# Altium PCB RelayTester.PcbDoc (part 2 of 2) (continued)
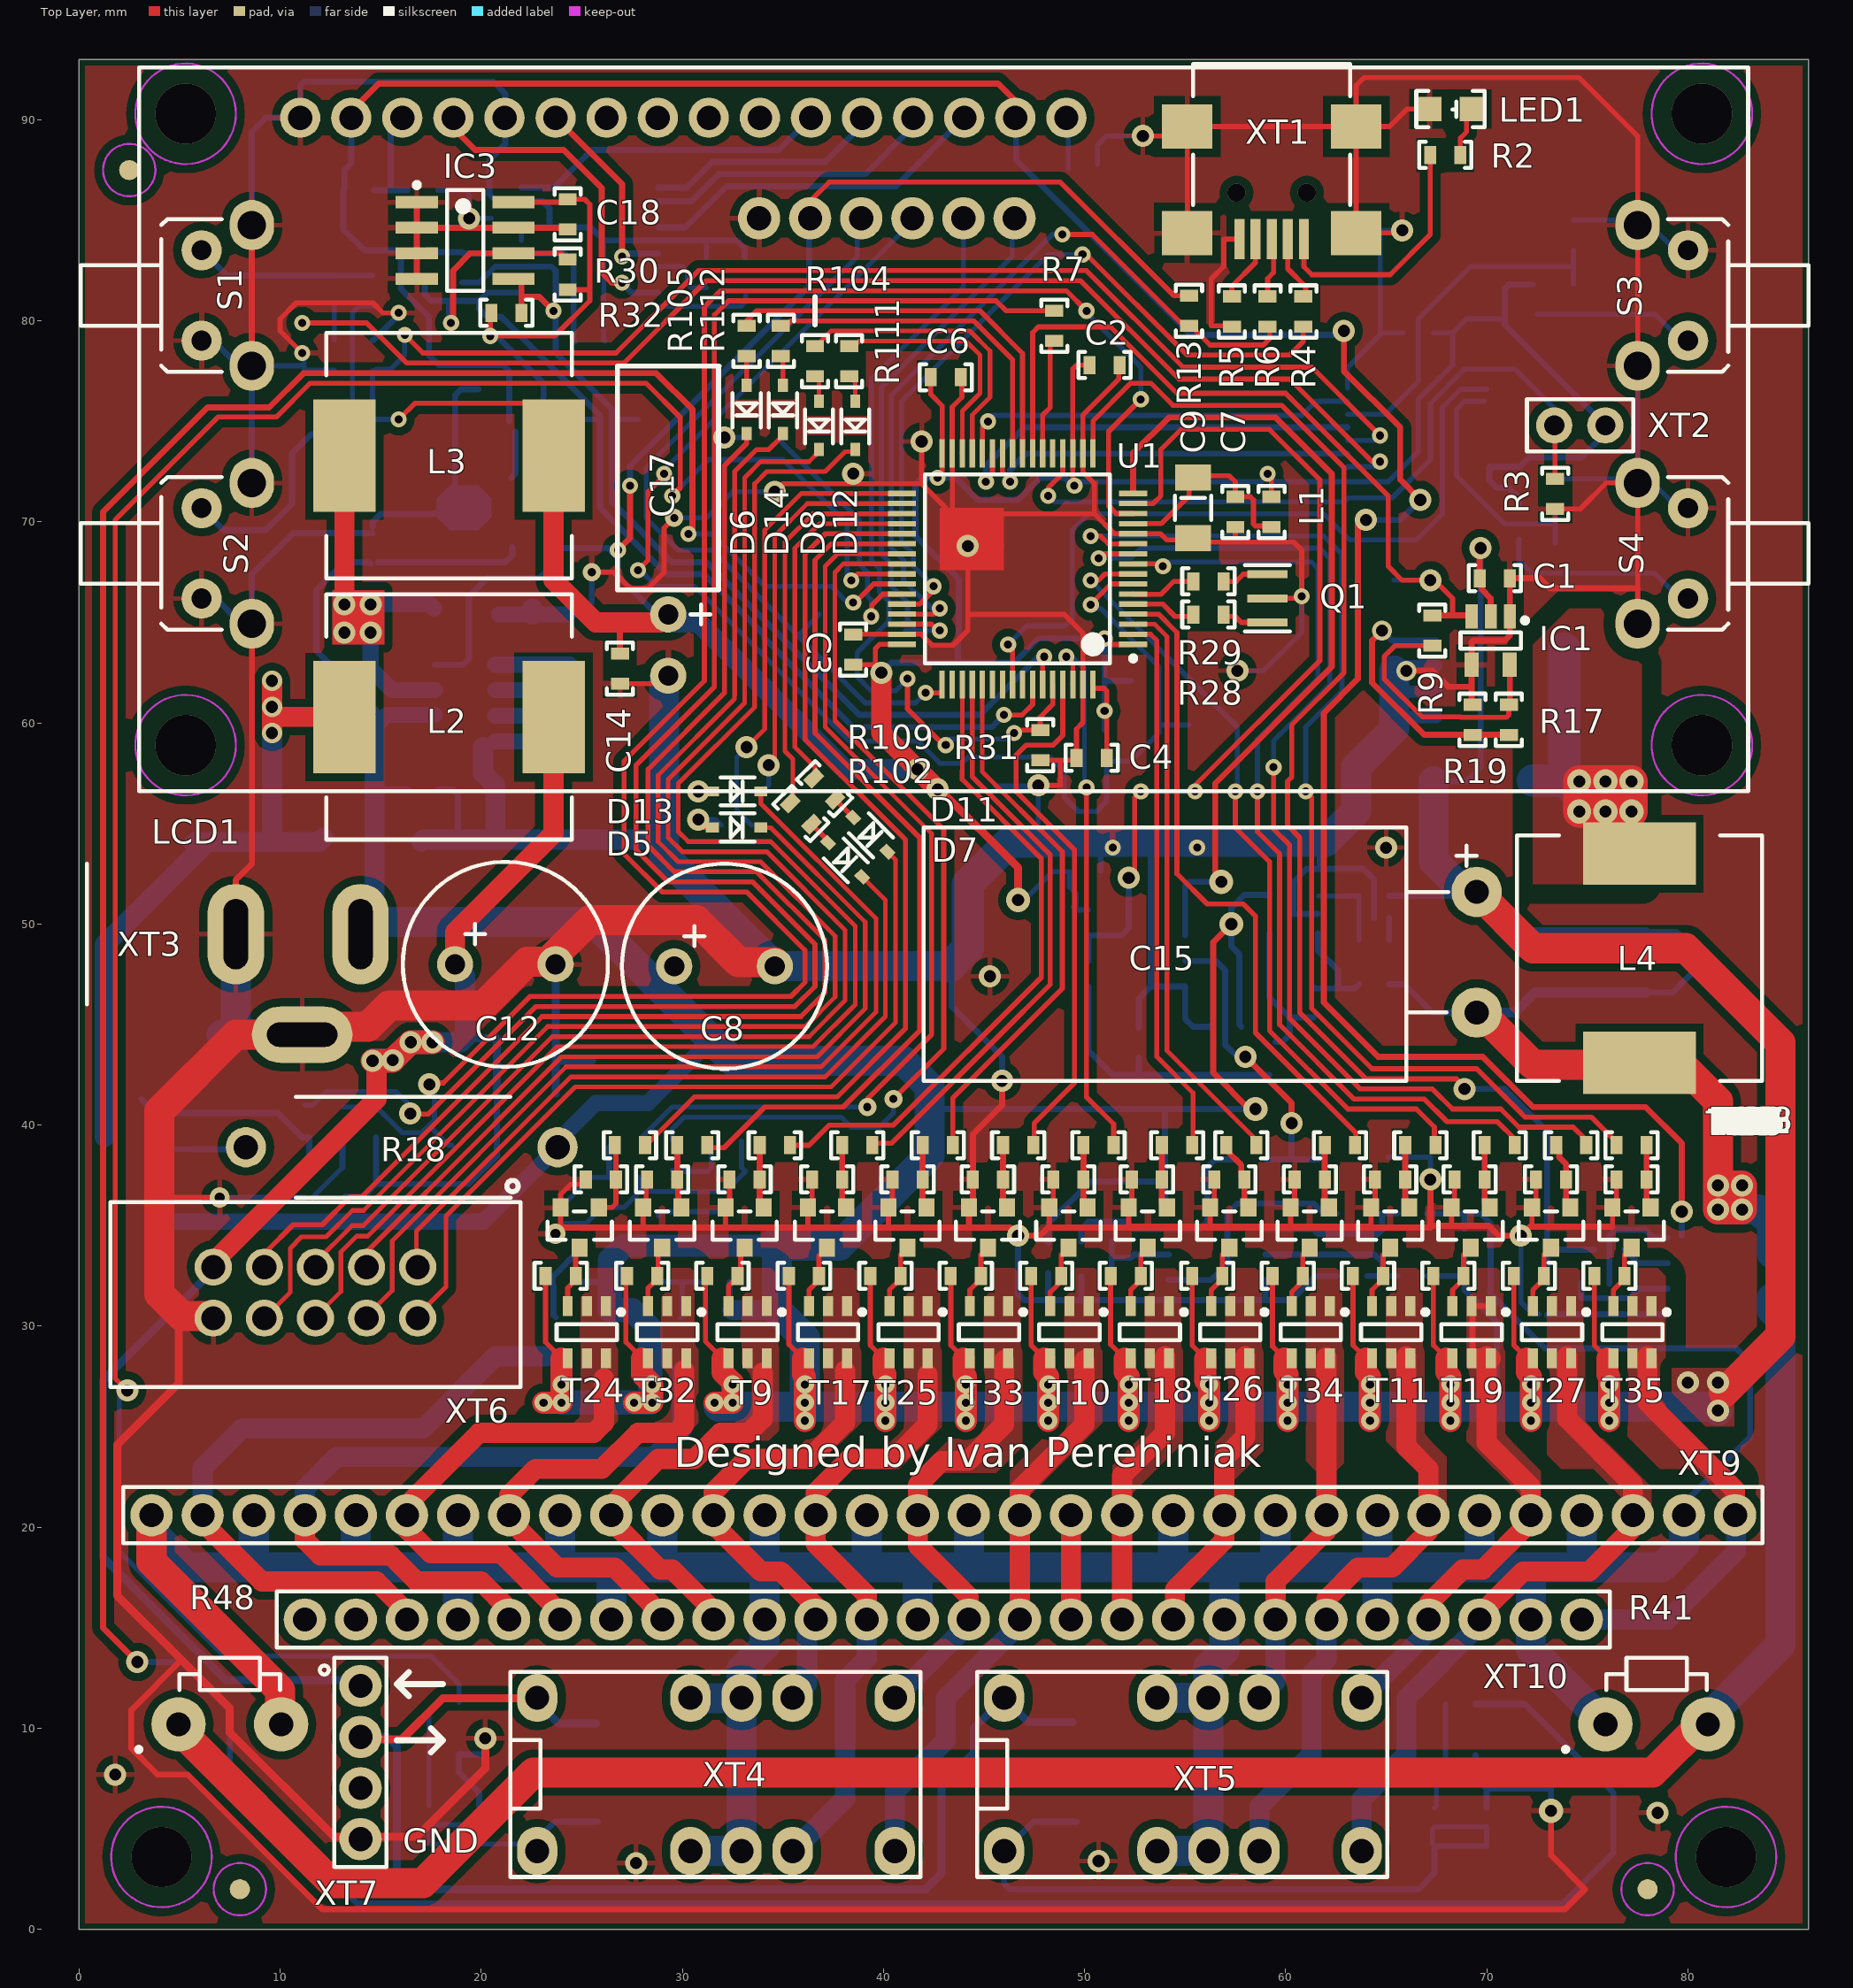
[diagram p0: Top Layer view]
## Nets (pads, with @x,y where several pads share a name; then routed paths per layer and width w, separated by ;. In a path a pad name is that pad's centre, name@x,y a point inside that pad or via, vN(x,y) a via of type N, cw(c..) or ccw(c..) an arc to the next point about the centre after c; other vN are vias at no path point) (continued)
NetR67_2: R67.2 R71.2 T20.1 | length 3.6
  Top Layer w0.25: T20.1@25.85,35.9 26.5,35.9 26.7,36.1 R67.2@26.7,38.8
NetR68_2: R68.2 R72.2 T21.1 | length 3.2
  Top Layer w0.3: R68.2@41.95,39 41.95,36.1 T21.1@42.15,35.9
NetR69_2: R69.2 R73.2 T22.1 | length 3.6
  Top Layer w0.3: R69.2@57.05,39 57.05,38.75 57.8,38 57.8,37.45 R73.2@57.95,37.3 57.95,36.1 T22.1@58.15,35.9
NetR70_2: R70.2 R74.2 T23.1 | length 3
  Top Layer w0.3: R70.2@73.6,38.7 73.6,38.4 73.95,38.05 R74.2@73.95,37.3 73.95,36.1 T23.1@74.15,35.9
NetR75_1: R75.1 T20.3 T24.1 | length 3.1
  Top Layer w0.25: T24.1@24.3,31 24.3,31.9 24.7,32.3 R75.1@24.7,32.5 24.7,33.7 T20.3@24.9,33.9
NetR76_1: R76.1 T21.3 T25.1 | length 3.1
  Top Layer w0.25: T25.1@40.3,31 40.3,31.8 R76.1@40.8,32.3 ; R76.1@40.85,32.5 40.85,33.55 T21.3@41.2,33.9
NetR77_1: R77.1 T22.3 T26.1 | length 3.1
  Top Layer w0.25: T26.1@56.3,31 56.3,31.8 R77.1@56.8,32.3 ; R77.1@56.85,32.5 56.85,33.55 T22.3@57.2,33.9
NetR78_1: R78.1 T23.3 T27.1 | length 3.1
  Top Layer w0.25: T27.1@72.3,31 72.3,31.8 R78.1@72.8,32.3 ; R78.1@72.85,32.5 72.85,33.55 T23.3@73.2,33.9
NetR79_1: R79.1 R87.1 S1.2 | length 9
  Bottom Layer w0.25: R87.1@12.7,82.25 R79.1@14.6,82.25
  Bottom Layer w0.3: S1.2@6.096,83.515 7.361,82.25 R87.1@12.7,82.25
NetR80_1: R80.1 R88.1 S2.2 | length 12.4
  Bottom Layer w0.25: R80.1@12.7,74.35 14.592,74.35 R88.1@14.6,74.358
  Bottom Layer w0.3: S2.2@6.096,70.688 7.184,69.6 9.3,69.6 10.6,70.9 10.6,73.4 11.55,74.35 R80.1@12.7,74.35
NetR81_1: R81.1 R89.1 S3.2 | length 8
  Bottom Layer w0.25: R81.1@72.528,80.334 R89.1@74.306,80.334 78.366,80.334 79.685,79.015 S3.2@80.01,79.015
NetR82_1: R82.1 R90.1 S4.2 | length 10.3
  Bottom Layer w0.25: R82.1@71.6,69.15 71.6,68.1 72.239,67.461 R90.1@73.406,67.461 78.339,67.461 79.612,66.188 S4.2@80.01,66.188
NetR83_2: R83.2 R91.2 T28.1 | length 3.2
  Top Layer w0.3: R91.2@29.6,37.3 29.8,37.1 29.8,36.05 T28.1@29.95,35.9 ; R91.2@29.75,37.3 R83.2@29.75,39
NetR84_2: R84.2 R92.2 T29.1 | length 3.2
  Top Layer w0.3: R84.2@45.95,39 45.95,36.1 T29.1@46.15,35.9
NetR85_2: R85.2 R93.2 T31.1 | length 3.2
  Top Layer w0.3: R85.2@61.95,39 61.95,36.1 62.15,35.9
NetR86_2: R86.2 R94.2 T30.1 | length 3.2
  Top Layer w0.3: R86.2@77.95,39 R94.2@77.95,37.3 77.95,36.1 78.15,35.9
NetR95_1: R95.1 T28.3 T32.1 | length 3.2
  Top Layer w0.25: T32.1@28.3,31 28.3,31.9 28.8,32.4 28.8,33.7 T28.3@29,33.9
NetR96_1: R96.1 T29.3 T33.1 | length 3.2
  Top Layer w0.25: T33.1@44.3,31 44.3,31.8 R96.1@44.9,32.4 ; R96.1@44.85,32.5 44.85,33.55 T29.3@45.2,33.9
NetR97_1: R97.1 T30.3 T34.1 | length 3.1
  Top Layer w0.25: T34.1@60.3,31 60.3,31.7 R97.1@60.9,32.3 ; R97.1@60.85,32.5 60.85,33.55 T30.3@61.2,33.9
NetR98_1: R98.1 T31.3 T35.1 | length 3.1
  Top Layer w0.25: T35.1@76.3,31 76.3,31.8 R98.1@76.8,32.3 ; R98.1@76.85,32.5 76.85,33.55 T31.3@77.2,33.9
NetR99_1: R99.1 R101.2 T36.1 | length 4.7
  Bottom Layer w0.25: T36.1@17.4,6.15 R101.2@17.4,10.8
NetR100_1: R100.1 R106.2 T37.1 | length 5.4
  Bottom Layer w0.25: T37.1@67.4,6.05 67.5,6.15 67.5,7.1 67.951,7.551 R100.1@67.951,8.669 R106.2@67.951,11.209
NRST: C5.1 pad.2@55.2,59.9 R10.1 U1.7 XT8.3 | length 69.8
  Top Layer w0.25: v1(27.8,67.6) 28.3,68.1 28.3,71.5 v1@29,72.2 ; v1@50.3,65.9 51.314,66.914 U1.7@52.421,66.914
  Bottom Layer w0.25: v1(27.8,67.6) 27.8,67.7 28.7,66.8 30.6,66.8 33.6,63.8 38.3,59.1 41.7,59.1 42.8,58 43.9,58 44.2,58.3 48.3,58.3 49,57.6 49,56.3 49.7,55.6 50.6,55.6 51.1,56.1 51.1,58.1 52.3,58.1 53.7,59.5 53.7,62.8 50.8,65.7 50.5,65.7 v1(50.314,65.886) ; v1(29.1,72.4) 28.9,72.4 41.2,84.7 XT8.3@41.6,84.7 ; 53.8,59.9 pad.2@55.2,59.9
OUT1: R67.1 U1.37 | length 46.3
  Top Layer w0.25: R67.1@28.15,39 28.2,39 30.6,41.4 37.7,41.4 41.1,44.8 41.1,54.2 36.1,59.2 36.1,68.4 37.114,69.414 U1.37@40.921,69.414
OUT2: R36.1 U1.39 | length 46.6
  Top Layer w0.23: U1.39@40.921,68.414 37.714,68.414 37.1,67.8 37.1,59.8 42.4,54.5
  Top Layer w0.25: v3(39.2,40.9) 39.2,41.3 42.4,44.5 42.4,54.5
  Bottom Layer w0.25: R36.1@27.988,39.088 27.988,39.388 29.5,40.9 v3(39.2,40.9)
OUT3: R83.1 U1.38 | length 43
  Top Layer w0.25: R83.1@31.375,38.875 32.075,38.875 34.1,40.9 38,40.9 41.8,44.7 41.8,54.3 36.6,59.5 36.6,68.1 37.414,68.914 U1.38@40.921,68.914
OUT4: R51.1 U1.40 | length 46
  Top Layer w0.23: U1.40@40.921,67.914 40.92,67.915 38.015,67.915 37.585,67.485 37.585,60.115 43,54.7
  Top Layer w0.25: v3(40.5,41.3) 43,43.8 43,54.7
  Bottom Layer w0.25: R51.1@29.5,39.25 29.5,39.8 30.1,40.4 37.9,40.4 38.4,39.9 39.8,39.9 40.5,40.6 v3(40.5,41.3)
OUT5: R52.1 U1.52 | length 28.4
  Top Layer w0.23: 44.421,57.321 U1.52@44.421,61.914
  Top Layer w0.25: R52.1@39.7,39.1 40.4,39.1 41.5,40.2 45.7,44.4 48.3,47 48.3,53.442 44.421,57.321
OUT6: R33.1 U1.51 | length 32.2
  Top Layer w0.23: 43.921,57.621 U1.51@43.921,61.914
  Top Layer w0.25: R33.1@35.35,39 36.3,39 37.3,40 40.5,40 47.85,47.35 47.85,53.256 43.919,57.186 43.919,57.456 43.921,57.457 43.921,57.621
OUT7: R68.1 U1.53 | length 26.8
  Top Layer w0.23: U1.53@44.921,61.914 44.921,57.579 46.8,55.7
  Top Layer w0.25: R68.1@43.45,39 43.45,41.35 48.9,46.8 48.9,53.6 46.8,55.7
OUT8: R34.1 U1.62 | length 27
  Top Layer w0.23: v1(49.1,63.3) 49.421,62.979 U1.62@49.421,61.914 U1.62@49.4,61.935
  Top Layer w0.25: v1(50.1,56.8) 50.1,41.4 51.45,40.05 R34.1@51.45,39
  Bottom Layer w0.23: v1(49.1,63.3) 49.4,63.3 50,62.7 v1@50,56.8
OUT9: R84.1 U1.61 | length 26.3
  Top Layer w0.25: R84.1@47.5,39.4 47.5,40.1 49.5,42.1 49.5,53.7 46.6,56.6 46.6,58.4 47.1,58.9 48.442,58.9 48.921,59.379 U1.61@48.921,61.914
OUT10: R53.1 U1.2 | length 27
  Top Layer w0.23: 53.3,64.4 53.6,64.1 53.6,43.4 55.4,41.6 R53.1@55.4,39.2
  Top Layer w0.25: U1.2@52.421,64.414 53.286,64.414 53.3,64.4
OUT11: R86.1 U1.4 | length 32.6
  Top Layer w0.25: U1.4@52.421,65.414 53.686,65.414 54.6,64.5 54.6,52.5 56.1,51 57.9,51 58.5,50.4 58.5,44.6 63.5,39.6 63.5,39.2
OUT12: R69.1 U1.3 | length 29.1
  Top Layer w0.23: U1.3@52.421,64.914 53.486,64.914 54.1,64.3 54.1,43.7 58.55,39.25 R69.1@58.55,39
OUT13: R35.1 U1.8 | length 39.5
  Top Layer w0.25: v1@50.1,67.1 v1(50.3,67.1) 50.7,67.1 51.014,67.414 U1.8@52.421,67.414 ; v1(57.5,56.6) 57.5,54.8 59.2,53.1 59.2,44.7 63.1,40.8 66.5,40.8 67.4,39.9 R35.1@67.4,39.2
  Bottom Layer w0.25: v1(50.3,67.1) 57.6,59.8 57.6,56.7 v1(57.5,56.6)
OUT14: R70.1 U1.10 | length 55.6
  Top Layer w0.25: v1@50.828,68 50.7,68.128 v1(50.7,68.2) 50.914,68.414 U1.10@52.421,68.414 ; v1(59.4,57.8) 59.4,54.725 60.2,53.925 60.2,45.3 63.698,41.802 67.298,41.802 68.3,40.8 70.7,40.8 71.6,39.9 74.3,39.9 R70.1@74.9,39.3
  Bottom Layer w0.25: v1(50.7,68.2) 52.3,68.2 52.8,68.7 61.7,68.7 62.2,68.2 62.2,61.9 59.4,59.1 v1(59.4,57.8)
OUT15: R54.1 U1.9 | length 47.8
  Top Layer w0.25: U1.9@52.421,67.914 53.886,67.914 53.9,67.9 v1(53.9,67.8) ; v1@58.6,56.3 58.6,54.6 59.7,53.5 59.7,45 63.4,41.3 66.9,41.3 68.025,40.175 70.525,40.175 R54.1@71.4,39.3
  Bottom Layer w0.25: v1(53.9,67.8) 53.9,68 61.3,68 61.6,67.7 61.6,62.2 58.6,59.2 v1(58.6,56.6)
OUT16: R85.1 U1.11 | length 56.2
  Top Layer w0.25: v1@50.5,69.3 50.8,69.3 51.186,68.914 U1.11@52.421,68.914 ; v1(61,56.6) 61.3,56.3 61.3,45.8 64.3,42.8 69.5,42.8 71.9,40.4 75.2,40.4 76.35,39.25
  Bottom Layer w0.25: v1(50.3,69.3) 61.9,69.3 62.8,68.4 62.8,61.6 61,59.8 v1(61,56.6)
PWMVOLTMEAS: DA2.6 DA2.7 pad.2@53.9,56.6 U1.15 | length 44.6
  Top Layer w0.25: v2(52.2,52.3) 52.5,52.6 52.5,56.3 v1(52.8,56.6) ; U1.15@52.421,70.914 53.414,70.914 53.8,71.3 53.8,73.6 54.8,74.6 59.2,74.6 61.7,72.1 61.7,63.1 55.5,56.9 v1(55.5,56.6)
  Bottom Layer w0.25: v1(52.8,56.6) pad.2@53.9,56.6 v1(55.5,56.6)
  Bottom Layer w0.3: DA2.6@50.2,48.165 DA2.7@50.2,49.435 51.835,49.435 52.2,49.8 52.2,52.2 v2@52,52.4
RELON1: R102.1 U1.35 | length 19.4
  Top Layer w0.23: R102.1@35.5,56.2 35.5,58.2 35.1,58.6 35.1,69 36.5,70.4 40.907,70.4 U1.35@40.921,70.414
RELON2: R109.2 U1.36 | length 17.4
  Top Layer w0.23: R109.2@36.6,57.5 36.6,57.8 35.6,58.8 35.6,68.7 36.814,69.914 U1.36@40.921,69.914
RELON3: R103.1 U1.33 | length 23.2
  Top Layer w0.23: v7(33.2,58.8) 34.1,59.7 34.1,69.6 35.914,71.414 U1.33@40.921,71.414
  Bottom Layer w0.23: v7@33.25,58.75 v7(33.2,58.8) 32.7,58.3 32.7,55.65 R103.1@33.45,54.9
RELON4: R110.2 U1.34 | length 20.5
  Top Layer w0.23: v7(34.3,57.9) 34.6,58.2 34.6,69.3 36.214,70.914 U1.34@40.921,70.914
  Bottom Layer w0.23: R110.2@33.45,56.6 34,56.6 34.3,56.9 v7(34.3,57.9)
RELON5: R104.1 U1.29 | length 14.6
  Top Layer w0.23: R104.1@36.8,78.9 37.4,79.5 44.3,79.5 45.3,78.5 45.3,76.2 44.421,75.321 U1.29@44.421,73.414
RELON6: R111.2 U1.30 | length 12
  Top Layer w0.23: R111.2@38.5,78.7 38.8,79 44.1,79 44.8,78.3 44.8,76.4 43.921,75.521 U1.30@43.921,73.414 U1.30@43.9,73.435
RELON7: R105.1 U1.24 | length 20
  Top Layer w0.25: R105.1@33.2,79.75 33.2,80 33.7,80.5 44.8,80.5 46.921,78.379 U1.24@46.921,73.414
RELON8: R112.2 U1.25 | length 16.9
  Top Layer w0.25: R112.2@35.1,79.7 35.4,80 44.5,80 46.421,78.079 U1.25@46.421,73.414
RELON9: R101.1 U1.41 | length 124.2
  Top Layer w0.25: v2(2.4,26.8) 1.8,27.4 1.8,70.1 6.925,75.225 9.825,75.225 11.5,76.9 28.2,76.9 29.9,75.2 29.9,71.7 v1(29.5,71.3) ; v1(38.4,67.1) 38.714,67.414 U1.41@40.921,67.414
  Bottom Layer w0.25: v2(2.4,26.8) 2,26.4 2,18.8 7.2,13.6 17.5,13.6 18.9,12.2 R101.1@18.9,11.3 ; v1(29.5,71.3) 31.3,73.1 35,73.1 38.2,69.9 38.2,67.3 v1(38.4,67.1)
RELON10: R106.1 U1.42 | length 203.1
  Top Layer w0.25: v1@38.375,66.075 v1@38.4,66.05 ; v1@38.375,66.075 v1@38.4,66.075 ; v1(38.5,66) 38.475,66 v1@38.4,66.075 ; v1@38.55,65.9 v1@38.4,66.05 ; U1.42@40.921,66.914 39.514,66.914 38.675,66.075 v1@38.4,66.075 ; v1@38.4,66.05 v1@38.4,66.075
  Top Layer w0.3: v2(2.9,13.3) 1.2,15 1.2,70.5 6.4,75.7 9.461,75.7 11.161,77.4 28.7,77.4 30.5,75.6 30.5,69.5 v1@30.4,69.4
  Bottom Layer w0.25: v1(30.3,69.4) 31.5,69.4 34.1,66.8 37.4,66.8 38.3,65.9 38.4,66 v1(38.5,66)
  Bottom Layer w0.3: v2(2.9,13.3) 5.1,13.3 7.5,10.9 7.5,7.6 13.8,1.3 73.8,1.3 76.3,3.8 76.3,6.8 71.891,11.209 R106.1@69.451,11.209
REZSOURSE: IC5.3 IC5.4 R41.2 R48.1 | length 105.2
  Top Layer w1.5: R48.1@5.1,10.1 5.1,9.8 12.6,2.3 17.1,2.3 22.6,7.8 78.25,7.8 R41.2@80.85,10.4
  Bottom Layer w1.5: R41.2@80.85,10.4 84.6,14.15 84.6,30.4 84.2,30.8 84.2,31.4
REZSOURSE1: C15.2 C16.2 IC5.1 IC5.2 L4.2 R11.1 R26.1 R27.1 | length 44.4
  Top Layer w1.5: C15.2@69.45,45.55 C15.2@69.5,45.6 69.6,45.7 72.3,43 L4.2@76.2,43 ; L4.2@79.1,42.8 79.9,42.8 81.5,41.2 v2(81.5,37) ; v2(81.5,37) v2(82.7,37) v2(82.7,35.8) v2(81.5,35.8) v2(81.5,37)
  Bottom Layer w0.3: R11.1@65.15,47 65.9,47 67.3,45.6 C15.2@69.5,45.6 ; R27.1@77.9,46.6 79.25,46.6 C16.2@80.1,47.45
  Bottom Layer w0.5: C15.2@69.5,45.6 71.4,45.6 72.4,46.6 R26.1@75.4,46.6 R27.1@77.9,46.6
  Bottom Layer w1.5: 84.2,33.6 84.2,35.1 83.5,35.8 v2(82.7,35.8) ; v2(82.7,35.8) v2(82.7,37) v2(81.5,37) v2(81.5,35.8) v2(82.7,35.8)
TEMPMEAS: R3.2 U1.20 XT2.1 | length 36.4
  Top Layer w0.25: v1(48.2,71.3) 48.2,71.7 48.921,72.421 U1.20@48.921,73.414 ; XT2.1@73.36,74.8 73.4,74.76 R3.2@73.4,72.15
  Bottom Layer w0.25: v1(48.2,71.3) 48.5,71 62.9,71 63.1,71.2 65.3,71.2 67.2,73.1 67.2,75.9 68.9,77.6 71.4,77.6 73.36,75.64 XT2.1@73.36,74.8
VDD: C2.2 C3.2 C4.2 C6.2 C14.2 C17.1 C18.2 C21.2 C22.2 DA2.8 IC2.4 IC3.8 IC4.14 L1.1 L3.2 pad.2@52.3,62.1 R10.2 R13.2 R30.2 R32.2 R79.2 R80.2 R81.2 R82.2 U1.1 U1.19 U1.32 U1.48 U1.64 XT2.2 XT8.5 | length 268.3
  Top Layer w0.25: v1(15.9,75.1) 16.7,75.9 22.4,75.9 23.6,74.7 L3.2@23.6,73.3 ; R32.2@20.45,80.3 v1(20.45,79.25) 23.65,79.25 25.4,81 25.4,81.5 ; IC3.8@21.6,85.905 24.155,85.905 C18.2@24.3,86.05 25.15,86.05 25.4,85.8 25.4,81.5 ; R30.2@24.3,81.55 25.35,81.55 25.4,81.5 ; XT8.5@36.36,85.1 36.36,85.96 37.3,86.9 48.8,86.9 54.45,81.25 R13.2@55.2,81.25 ; C3.2@38.65,62.9 v2@39.6,62.9 ; v2(39.9,62.5) 39.8,62.5 39.6,62.7 v2@39.6,62.9 ; U1.48@40.921,63.914 39.814,63.914 39.6,63.7 v2@39.6,62.9 ; C6.2@42.35,77.2 42.35,76.35 42.921,75.779 U1.32@42.921,73.414 42.921,72.221 42.9,72.2 v1(42.7,72.2) ; v1(49.5,71.8) 49.421,71.879 U1.19@49.421,73.414 49.421,77.621 49.6,77.8 C2.2@50.15,77.8 ; U1.64@50.421,61.721 50.979,61.721 51.104,61.596 C4.2@51.104,58.266 ; v1@51.2,64.1 51.4,63.9 52.407,63.9 U1.1@52.421,63.914 ; v1(59.1,72.4) 59.3,72.2 L1.1@59.3,71.25
  Top Layer w0.3: v1(26.8,68.6) 27.4,69.2 v1(27.4,71.8) ; C14.2@26.9,63.45 26.9,65
  Top Layer w0.4: v2@42.8,56.7 46.7,52.8 v4(46.7,51.2)
  Top Layer w1: L3.2@23.6,73.3 23.6,67.1 25.7,65 26.9,65 28.9,65 C17.1@29.3,65.4 ; v2(39.9,62.5) 39.9,59.5 v2(42.7,56.7)
  Bottom Layer w0.25: R80.2@12.65,75.85 R80.2@12.7,75.85 13.6,75.85 ; R79.2@14.6,80.75 13.95,80.75 13.6,80.4 13.6,75.85 ; v1(15.9,75.1) 13.9,75.1 13.6,75.4 13.6,75.85 ; v4(46.7,51.2) 47,51.2 48.4,52.6 C22.2@49.25,52.6 49.25,51.85 49.595,51.505 DA2.8@49.595,50.705 ; DA2.8@49.45,50.85 DA2.8@49.595,50.705 ; v1(49.5,71.8) 49.7,72 58.8,72 v1@59.1,72.3 ; DA2.8@50.2,50.705 DA2.8@49.595,50.705 ; v1(59.1,72.4) 59.5,72 65.1,72 66.6,73.5 66.6,76.1 68.3,77.8 68.3,79.4 ; C21.2@67.35,79.4 68.3,79.4 ; 70.9,80.1 69,80.1 68.3,79.4
  Bottom Layer w0.3: IC2.4@17.7,62.905 19.105,62.905 19.4,63.2 19.4,66.3 20.3,67.2 22.9,67.2 23.5,67.8 23.5,68.7 ; v1(20.45,79.25) 20.75,79.25 23.1,76.9 23.1,71.8 23.5,71.4 23.5,68.7 ; v1(26.8,68.6) v1@26.8,68.2 ; v1(27.4,71.8) 27.4,72.8 36.3,81.7 36.3,84.7 XT8.5@36.5,84.9 ; C17.1@29.3,64.825 27.325,66.8 27.3,66.8 26.8,67.3 v1@26.8,68.2 ; v2(39.9,62.5) 40,62.5 v2@40.1,62.4 ; v2@40.2,62.8 40.4,63 43.7,63 ; v1(49.5,71.8) 49.4,71.8 49,72.2 47.8,72.2 46.7,71.1 44.7,71.1 43.6,72.2 v1(42.7,72.2) 41.9,72.2 41.6,71.9 41.6,69.3 43.75,67.15 43.75,64.206 43.7,64.156 43.7,63 ; R10.2@51,59.65 v1(51,60.6) 51,62.1 ; pad.2@52.3,62.1 51,62.1 ; R82.2@71.6,70.65 71.6,71.2 71.1,71.7 70.5,71.7 70.125,72.075 IC4.14@70.125,72.75 71.65,72.75 72.1,73.2 74.7,73.2 75.9,74.4 XT2.2@75.9,74.8 ; R81.2@72.3,81.8 71.1,81.8 70.9,81.6 70.9,80.1 70.9,79.8 75.3,75.4 XT2.2@76.1,75.4 ; 23.5,68.7 26.3,68.7 v1@26.8,68.2 ; 43.7,63 46.5,63 47.7,64.2 v1(51,64.2) 51,62.1
  Bottom Layer w1: C17.1@29.6,65 30.8,65 38.1,57.7 v2(41.7,57.7) v2(42.7,56.7)
VSUPPLY: C1.1 C8.1 C10.2 C11.2 C15.1 C16.1 C19.1 C20.2 C29.2 D3.2 DA1.5 DA3.8 IC1.2 IC2.2 IC7.3 R12.1 R18.2 R26.2 R27.2 R43.1 R44.2 R45.2 R46.2 R47.2 R62.2 R63.2 R64.2 R65.2 R75.2 R76.2 R77.2 R78.2 R95.2 R96.2 R97.2 R98.2 T3.3 T8.3 T9.3 T10.3 T11.3 T16.3 T17.3 T18.3 T19.3 T24.3 T25.3 T26.3 T27.3 T32.3 T33.3 T34.3 T35.3 XT3.2 | length 464.5
  Top Layer w0.25: R75.2@23.2,32.5 23.2,29.2 24,28.4 ; R95.2@27.2,32.5 27.2,29.2 28,28.4 ; R45.2@31.15,32.5 31.15,29.25 32,28.4 T9.3@32.3,28.4 ; R63.2@35.3,32.5 35.3,29.1 36,28.4 T17.3@36.3,28.4 ; R76.2@39.35,32.5 39.35,29.05 40,28.4 T25.3@40.3,28.4 ; R96.2@43.35,32.5 43.35,29.05 44,28.4 T33.3@44.3,28.4 ; R46.2@47.35,32.5 47.35,29.05 48,28.4 T10.3@48.3,28.4 ; R64.2@51.3,32.5 51.3,29.1 52,28.4 T18.3@52.3,28.4 ; R77.2@55.35,32.5 55.35,29.05 56,28.4 T26.3@56.3,28.4 ; R97.2@59.35,32.5 59.35,29 59.95,28.4 T34.3@60.3,28.4 ; R47.2@63.35,32.5 63.35,29.05 64,28.4 T11.3@64.3,28.4 ; R65.2@67.35,32.5 67.35,29.05 68,28.4 T19.3@68.3,28.4 ; R78.2@71.35,32.5 71.35,29.05 72,28.4 T27.3@72.3,28.4 ; R98.2@75.35,32.5 75.35,29.05 76,28.4 T35.3@76.3,28.4
  Top Layer w0.3: v4(57.3,50) 56.4,49.1 56.4,42.6 58.3,40.7 58.4,40.8 v4(58.5,40.8) ; C1.1@69.65,67.2 69.65,68.65 v2(69.7,68.7) ; C1.1@69.75,67.2 69.75,66.65 70.2,66.2 IC1.2@70.2,65.3
  Top Layer w1.1: v3(23.1,26.2) v3(24,26.2) v3(24,27.1) 24,28.4 ; v3(27.6,26.2) v3(28.5,26.2) v3(28.5,27.1) 28,27.6 28,28.4 ; v3(31.6,26.2) v3(32.5,26.2) v3(32.5,27.1) 32.5,27.2 32,27.7 32,28.4 ; 36,28.4 36,27.6 36.1,27.5 v3(36.1,27.1) v3(36.1,26.2) v3(36.1,25.3) ; 40,28.4 40,27.7 40.1,27.6 v3(40.1,27.1) v3(40.1,26.2) v3(40.1,25.3) ; 44,28.4 44,27.6 44.1,27.5 v3(44.1,27.1) v3(44.1,26.2) v3(44.1,25.3) ; 48,28.4 48,27.7 48.2,27.5 v3(48.2,27.1) v3(48.2,26.2) v3(48.2,25.3) ; 52,28.4 52,27.7 52.2,27.5 v3(52.2,27.1) v3(52.2,26.2) v3(52.2,25.3) ; 56,28.4 56,27.3 v3(56.2,27.1) v3(56.2,26.2) v3(56.2,25.3) ; 59.95,28.4 59.95,27.75 60.1,27.6 v3(60.1,27.1) v3(60.1,26.2) v3(60.1,25.3) ; 64,28.4 64,27.7 64.2,27.5 v3(64.2,27.1) v3(64.2,26.2) v3(64.2,25.3) ; 68,28.4 68,27.7 68.2,27.5 v3(68.2,27.1) v3(68.2,26.2) v3(68.2,25.3) ; 72,28.4 72,27.7 72.2,27.5 v3(72.2,27.1) v3(72.2,26.2) v3(72.2,25.3) ; 76,28.4 76,27.6 76.1,27.5 v3(76.1,27.1) v3(76.1,26.2) v3(76.1,25.3)
  Top Layer w1.5: C15.1@69.5,51.6 72.3,48.8 79.9,48.8 84.6,44.1 84.6,29.5 81.8,26.7
  Bottom Layer w0.3: C29.2@14.5,67.9 14.4,68 13.2,68 11.8,66.6 11.8,63.6 15,60.4 ; 14.7,57 15,56.7 C10.2@16.35,56.7 ; C29.2@14.85,68 21.2,68 21.55,68.35 21.55,68.75 ; R18.2@23,38.4 23.3,38.7 R18.2@23.3,39 ; R44.2@24.9,32.2 26.3,32.2 26.4,32.1 ; R62.2@32.35,32.2 32.35,30.95 32.5,30.8 ; 42.5,40.8 42.6,40.7 42.7,40.8 54,40.8 ; C20.2@48.2,34.15 48.2,35.1 50.3,37.2 54,37.2 ; DA3.8@54.2,36.105 54,36.305 54,37.2 ; C11.2@57.8,44.9 57.7,45 57.7,48.5 57.3,48.9 v4(57.3,50) 57.3,50.8 57.95,51.45 DA1.5@59.2,51.45 ; v4(58.5,40.8) 54,40.8 ; R12.1@65.15,51.4 69,51.4 C15.1@69.3,51.4 ; 66.9,51.4 C15.1@69.3,51.4 ; R43.1@67.05,32.5 68.9,32.5 ; D3.2@67.36,57.1 69,57.1 69.7,57.8 v2(69.7,68.7) ; C19.1@68.9,33.35 C19.1@68.9,33.25 68.9,32.5 ; C15.1@69.5,51.6 C15.1@69.3,51.4 ; C15.1@69.9,52.1 C15.1@70.1,51.9 ; 70.5,26 70.5,30.2 68.9,31.8 68.9,32.5 ; R27.2@77.9,49.6 79.45,49.6 C16.1@80.1,48.95 ; 54,37.2 54,40.8
  Bottom Layer w0.5: C15.1@69.5,51.6 69.9,51.6 71.9,49.6 R26.2@75.4,49.6 R27.2@77.9,49.6
  Bottom Layer w0.8: 4.4,35.2 20.1,35.2 23.4,38.5 23.4,38.8 25.7,41.1 28.3,41.1 31.45,44.25 ; 14.7,59.8 15.3,60.4 IC2.2@17.7,60.4
  Bottom Layer w1: XT3.2@14.7,50.1 14.7,57 14.7,59.8 ; 32.5,30.8 34.7,30.8
  Bottom Layer w1.1: v3(23.1,26.2) v3(24,26.2) v3(24,27.1) ; 27.1,34 34.4,34 ; v3(31.6,26.2) v3(32.5,26.2) v3(32.5,27.1) ; v3(36.1,25.3) 36.1,26 v3(36.1,26.2) ; v3(40.1,25.3) 40.1,26 v3(40.1,26.2) v3(40.1,27.1) ; v3(44.1,25.3) 44.1,26 v3(44.1,26.2) v3(44.1,27.1) ; v3(48.2,25.3) 48.2,26 v3(48.2,26.2) v3(48.2,27.1) ; v3(52.2,25.3) 52.2,26 v3(52.2,26.2) v3(52.2,27.1) ; v3(56.2,25.3) 56.2,26 v3(56.2,26.2) v3(56.2,27.1) ; v3(60.1,25.3) 60.1,26 v3(60.1,26.2) v3(60.1,27.1) ; v3(64.2,25.3) 64.2,26 v3(64.2,26.2) v3(64.2,27.1) ; v3(68.2,25.3) 68.2,26 v3(68.2,26.2) v3(68.2,27.1) ; v3(72.2,25.3) 72.2,26 v3(72.2,26.2) v3(72.2,27.1) ; v3(76.1,25.3) 76.1,26 v3(76.1,26.2) v3(76.1,27.1)
  Bottom Layer w1.2: v3(24,26.2) v3(27.6,26.2) 28.4,26.2 28.4,29.9 27.5,30.8 26.4,30.8 26.4,32.1 26.4,33.3 27.1,34 ; 34.4,34 34.7,33.7
  Bottom Layer w1.5: XT3.2@14,48.3 XT3.2@14,50.1 ; XT3.2@14.7,50.1 25.6,50.1 31.45,44.25 32.5,43.2 41,43.2 42.3,41.9 42.3,38.5 37.8,34 34.4,34 ; v3@31.8,26 36.1,26 40.1,26 44.1,26 48.2,26 52.2,26 56.2,26 60.1,26 64.2,26 68.2,26 70.5,26 72.2,26 76.1,26 81.3,26 v2(81.5,25.8) ; 34.7,33.7 34.7,30.8 36.1,29.4 v3(36.1,27.1) v3(36.1,26.2) ; D3.2@67.36,57.1 67.36,53.14 68.9,51.6 C15.1@69,51.6 ; C15.1@69,51.4 C15.1@69,51.6 ; C15.1@69,51.8 C15.1@69,51.6 ; C15.1@69.5,51.6 C15.1@69,51.6
  other v2: 80,27.2 81.5,27.2
VSupply1: C19.2 R41.1 R42.1 R48.2 XT4.2 XT4.3 XT4.8 XT4.9 XT5.2 XT5.3 XT5.8 XT5.9 XT9.1 XT9.3 XT9.5 XT9.7 XT9.9 XT9.11 XT9.13 XT9.15 XT9.17 XT9.19 XT9.21 XT9.23 XT9.25 XT9.27 XT9.29 XT9.31 XT10.4 XT10.7 XT10.10 XT10.13 XT10.16 XT10.19 XT10.22 XT10.25 | length 226.6
  Top Layer w1: XT10.16@49.33,15.413 XT9.19@49.33,20.6
  Top Layer w1.5: XT9.1@3.61,20.6 3.61,18.29 10,11.9 10,10.7 R48.2@9.5,10.2
  Bottom Layer w0.3: R42.1@67.05,35.6 68.9,35.6 ; C19.2@68.9,34.85 68.9,35.6 ; XT9.31@79.81,21.382 79.982,21.382 83.1,24.5 83.1,28.2 82.4,28.9 72.9,28.9 70.2,31.6 70.2,35.1 69.7,35.6 68.9,35.6
  Bottom Layer w1: XT10.16@49.33,15.413 49.33,17.93 ; XT9.19@49.33,20.6 49.33,18 49.33,17.93 ; 49.4,18 49.33,17.93
  Bottom Layer w1.5: XT9.1@3.61,20.6 3.61,19.79 5.4,18 8.7,18 ; XT9.3@8.69,20.6 8.69,18.01 8.7,18 ; XT9.5@13.77,20.6 13.77,18.27 13.5,18 ; XT10.4@18.85,15.413 18.85,18 ; XT9.7@18.85,20.6 18.85,18 ; XT9.9@23.93,20.6 23.93,18.13 23.8,18 ; XT10.7@26.47,15.413 26.47,17.97 26.5,18 ; XT9.11@29.01,20.6 29.01,18.01 29,18 ; XT4.2@30.407,3.897 XT4.3@32.947,3.897 XT4.8@32.947,11.517 32.947,12.947 34.09,14.09 XT10.10@34.09,15.413 34.09,17.89 ; XT4.9@30.407,11.517 30.407,11.5 XT4.8@32.7,11.5 ; XT9.13@34.09,20.6 34.09,18 ; XT9.15@39.17,20.6 39.17,18.03 39.2,18 ; XT10.13@41.71,15.413 41.71,17.71 42,18 ; XT9.17@44.25,20.6 44.25,18.05 44.2,18 ; XT5.2@53.623,3.897 XT5.3@56.163,3.897 XT5.8@56.163,11.517 ; XT5.9@53.623,11.517 XT5.8@56.163,11.517 ; XT9.21@54.41,20.6 54.41,18.21 54.2,18 ; XT9.23@59.49,20.6 59.49,18.19 59.3,18 ; XT10.22@64.57,15.413 64.57,18 ; XT9.25@64.57,20.6 64.57,18 ; XT9.27@69.65,20.6 69.65,18.15 69.5,18 ; XT9.29@74.73,20.6 74.73,18.23 74.5,18 ; R41.1@75.75,10.4 72.19,13.96 XT10.25@72.19,15.413 72.19,18 ; XT9.31@79.81,20.6 79.81,19.11 78.7,18 74.5,18 ; 8.7,18 13.5,18 ; 13.5,18 18.85,18 ; 18.85,18 23.8,18 ; 23.8,18 26.5,18 ; 26.5,18 29,18 ; 29,18 34.09,18 ; 34.09,17.89 34.2,18 ; 34.09,17.89 34.09,18 ; 34.09,18 34.2,18 ; 34.2,18 39.2,18 ; 39.2,18 42,18 ; 42,18 44.2,18 ; 44.2,18 49.33,18 49.4,18 54.2,18 ; 54.2,18 56.9,18 ; XT5.8@56.163,11.517 56.163,13.063 56.95,13.85 XT10.19@56.95,15.413 56.95,17.95 56.9,18 ; 56.9,18 59.3,18 ; 59.3,18 64.57,18 ; 64.57,18 69.5,18 ; 69.5,18 72.19,18 ; 72.19,18 74.5,18
pads on no net: IC4.10 IC4.11 IC4.12 IC4.13 IC6.1 IC6.3 IC6.8 IC6.13 IC6.18 LCD1.7 LCD1.8 LCD1.9 LCD1.10 U1.21 U1.54 U1.57 XT7.3 XT10.1 XT10.2
copper on no net:
  other v5: 4.1,3.6 81.9,3.6 5.3,58.9 80.7,58.9 5.3,90.3 80.7,90.3
  other v9: 57.559,86.369 61.059,86.369

## Polygon pours and split planes (outlines as drawn)
NetD3_1 on Top Layer "NETD3_1_L01_P042" (solid, pour order 42): 72.3,63.9 74.1,65.7 77.7,65.7 77.7,52 72.3,52
VSUPPLY on Top Layer "VSUPPLY_L01_P054" (solid, pour order 54): 82.315,25.015 80.885,25.015 79.215,26.685 79.215,27.915 82.315,27.915
MOSOUT6 on Top Layer "MOSOUT6_L01_P070" (solid, pour order 70): 37.5,31.9 37.5,32.9 38.5,32.9 38.9,32.5 38.9,25.2 36.6,22.9 34.7,22.9 34.7,23.9 35.7,23.9 37,25.2 37,31.4
MOSOUT7 on Top Layer "MOSOUT7_L01_P072" (solid, pour order 72): 41.5,31.9 41.5,32.9 42.5,32.9 42.9,32.5 42.9,25 40.8,22.9 38.7,22.9 38.7,23.9 40,23.9 41,24.9 41,31.4
MOSOUT8 on Top Layer "MOSOUT8_L01_P074" (solid, pour order 74): 45.5,31.9 45.5,32.9 46.5,32.9 46.9,32.5 46.9,24 45.6,22.7 42.6,22.7 42.6,23.7 43.3,24.4 43.9,24.4 45,25.5 45,31.4
MOSOUT9 on Top Layer "MOSOUT9_L01_P076" (solid, pour order 76): 49.5,31.9 49.5,32.9 50.5,32.9 50.9,32.5 50.9,25.2 46.9,21.2 46.3,21.2 46.3,22.8 49,25.5 49,31.4
MOSOUT10 on Top Layer "MOSOUT10_L01_P078" (solid, pour order 78): 53.5,31.875 53.5,32.875 54.5,32.875 54.9,32.475 54.9,24.2 52,21.3 51.4,21.3 51.4,23.075 53,24.675 53,31.375
MOSOUT11 on Top Layer "MOSOUT11_L01_P080" (solid, pour order 80): 57.5,31.9 57.5,32.9 58.5,32.9 58.9,32.5 58.9,23.8 57.4,22.3 56.5,22.3 56.5,24.2 57,24.7 57,31.4
MOSOUT12 on Top Layer "MOSOUT12_L01_P082" (solid, pour order 82): 61.5,31.9 61.5,32.9 62.5,32.9 62.9,32.5 62.9,23.2 62.5,22.8 61.596,22.696 61,23.293 61,25.46 61,31.4
MOSOUT13 on Top Layer "MOSOUT13_L01_P084" (solid, pour order 84): 65.5,31.9 65.5,32.9 66.5,32.9 66.9,32.5 66.9,24.661 67.3,24.2 68,23.5 68,21.1 66.6,21 66.6,22.7 65,24.3 65,31.4
MOSOUT15 on Top Layer "MOSOUT15_L01_P088" (solid, pour order 88): 73.5,31.9 73.5,32.9 74.5,32.9 74.9,32.5 74.9,25.284 78.2,22 78.2,20.466 77.495,20.705 75.3,22.9 73.7,22.9 73,23.6 73,25.2 73,31.4
MOSOUT16 on Top Layer "MOSOUT16_L01_P090" (solid, pour order 90): 77.5,31.9 77.5,32.9 78.5,32.9 78.9,32.5 78.9,25.99 82.492,22.416 82.534,22.332 81.72,21.28 80.1,22.9 78.6,22.9 77,24.5 77,25.2 77,31.4
MosOut14 on Top Layer "MOSOUT14_L01_P086" (solid, pour order 86): 69.5,31.9 69.5,32.9 70.5,32.9 70.9,32.5 70.9,24.661 71.3,24.2 72.7,22.8 72.7,21.221 71.9,21.4 69,24.3 69,31.4
MOSOUT3 on Top Layer "MOSOUT3_L01_P064" (solid, pour order 64): 25.4,31.9 25.4,32.9 26.8,32.9 26.8,25.2 25.8,24.2 22.6,24.2 22.6,25.2 24.6,25.2 24.9,25.5 24.9,31.4
MOSOUT4 on Top Layer "MOSOUT4_L01_P066" (solid, pour order 66): 29.4,31.9 29.4,32.9 30.4,32.9 30.8,32.5 30.8,25.2 29.8,24.2 28.2,24.2 28.2,25.2 28.6,25.2 28.9,25.5 28.9,31.4
MOSOUT5 on Top Layer "MOSOUT5_L01_P068" (solid, pour order 68): 33.4,31.9 33.4,32.9 34.4,32.9 34.8,32.5 34.8,24.8 34.2,24.2 31.8,24.2 31.8,25.2 32.6,25.2 32.9,25.5 32.9,31.4
GND on Top Layer "GND_L01_P052" (solid, remove dead copper, pour order 94): 0.303,92.7 0.303,0.3 85.703,0.3 85.703,92.7
NetD2_2 on Bottom Layer "NETD2_2_L02_P046" (solid, pour order 46): 3.2,38.7 3.2,30.9 1,28.7 0.8,28.7 0.8,40.912 0.988,40.912
NetD9_1 on Bottom Layer "NETD9_1_L02_P050" (solid, pour order 50): 16.6,5.4 22.5,5.4 23.4,4.5 23.3,4.4 23.3,2.4 17.2,2.4 16.6,3
NetD10_1 on Bottom Layer "NETD10_1_L02_P048" (solid, pour order 48): 66.5,5.4 71.2,5.4 71.4,5.4 72.8,4 73.8,3 73.8,1.6 66.4,1.6 65.5,2.5 65.5,5.2
NetD3_1 on Bottom Layer "NETD3_1_L02_P044" (solid, pour order 44): 73.1,64.7 74.1,65.7 77.7,65.7 77.7,55.1 77.2,54.6 73.1,54.6
VSUPPLY on Bottom Layer "VSUPPLY_L02_P058" (solid, pour order 58): 82.377,25.05 80.85,25.05 79.277,26.623 79.277,27.95 82.377,27.95
MOSOUT1 on Bottom Layer "MOSOUT1_L02_P060" (solid, pour order 60): 26.8,29.7 27.3,29.2 27.3,27.2 25.2,27.2 24.4,28 23.3,28 22,26.7 22,25.7 19,25.7 17.7,24.4 16.5,24.4 16.5,25.4 20.8,29.7
MOSOUT2 on Bottom Layer "MOSOUT2_L02_P062" (solid, pour order 62): 29.4,29.7 34,29.7 35,28.7 35,27.1 34.9,27 33.5,27 32.8,27.7 32,27.7 31,26.7 31,23.7 30.3,23 23.4,23 23.4,24 24.6,25.2 29.4,25.2
GND on Bottom Layer "GND_L02_P096" (solid, remove dead copper, pour order 98): 0.3,92.7 0.3,0.3 85.7,0.3 85.7,92.7

## Keep-outs
Keep-Out Layer:
  circle w0.1: c8,2 r1.304
  circle w0.1: c2.5,87.5 r1.304
  circle w0.1: c78,2 r1.304
  circle w0.1: c80.7,90.3 r2.5
  circle w0.1: c5.3,90.3 r2.5
  circle w0.1: c5.3,58.9 r2.5
  circle w0.1: c80.7,58.9 r2.5
  circle w0.1: c81.9,3.6 r2.5
  circle w0.1: c4.1,3.6 r2.5

## Other copper
Top Layer:
  rectangle net NetD1_2: 12.6,63.9 15.2,66.6
  rectangle net GND: 42.8,67.6 46,70.7
Bottom Layer:
  rectangle net NetD1_2: 12.6,63.9 15.2,66.6

## Silkscreen, mask and mechanical layers (free items; w line width, h text height)
Top Overlay:
  lines w0.2: 15.8,12.2 15.8,12.2 ; 15.8,12.2 15.8,12.2
  lines w0.254: 36.6,79.8 36.6,81.2
  lines w0.3: 15.8,9.4 18.1,9.4 ; 16.4,11.6 15.8,12.2 ; 16.4,12.8 15.8,12.2 ; 17.5,8.8 18.1,9.4 ; 17.5,10 18.1,9.4 ; 18.1,12.2 15.8,12.2
  text "Designed by Ivan Perehiniak" at 29.6,23 h1.5
  text "GND" at 16.1,3.8 h1.2
Bottom Overlay:
  lines w0.254: 15.4,84.5 16.3,84.5 17,85.2 17,85.5 ; 15.7,72.9 16.3,72.9 17.55,74.15
Mechanical 1:
  the board outline again, w0.2
Mechanical 2:
  lines w1.2: 7.8,48.4 7.8,50.6 ; 10,44.5 12.2,44.5 ; 14,48.4 14,50.6

## Dimensions
5.3,90.3 to 80.7,90.3 on Mechanical 9
80.7,58.9 to 81.9,3.6 on Mechanical 9
80.7,90.3 to 80.7,58.9 on Mechanical 9
0,0 to 0,93 on Mechanical 9
0,0 to 86,0 on Mechanical 9